# KiCad board PCA20073_Tiny_Board_Panel.kicad_pcb (continued)
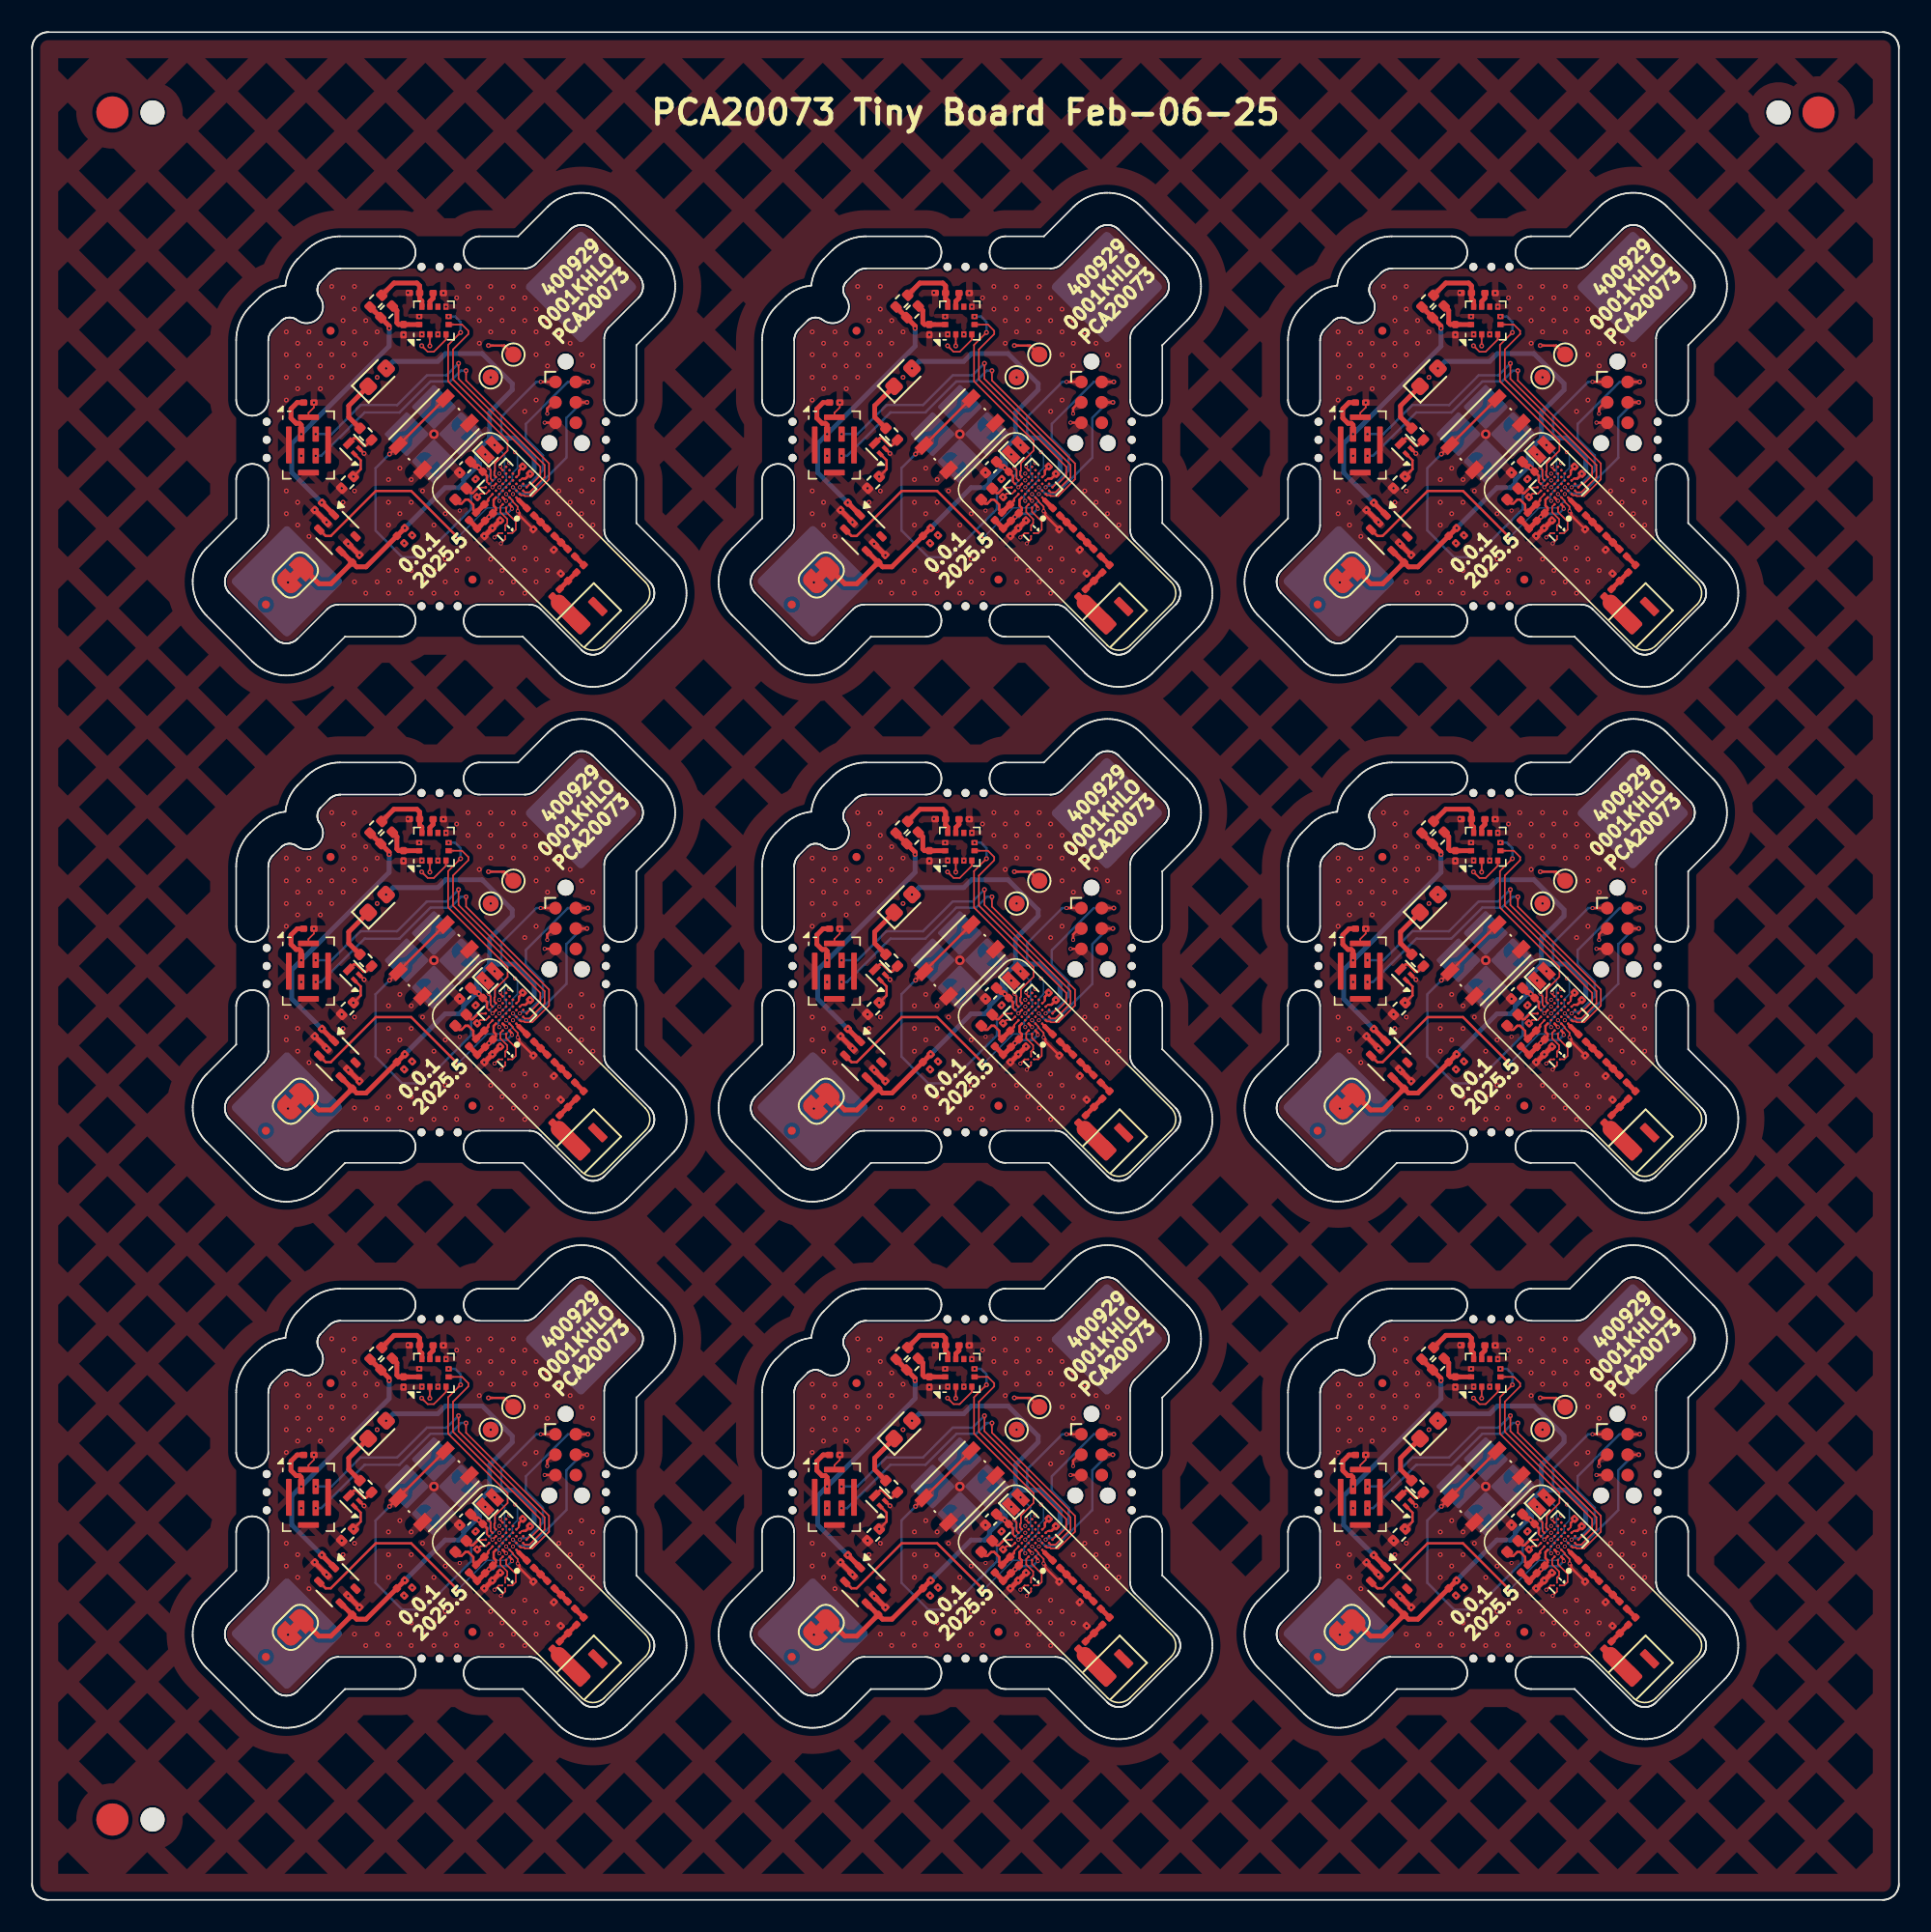
[diagram p0: board, top side]
## Nets (continued)
Board_4-GND: 4BT1.2 4C1.2 4C2.2 4C3.2 4C4.2 4C5.2 4C6.2 4C8.2 4C9.2 4C10.2 4C11.2 4C12.2 4C15.2 4C16.2 4C17.2 4C20.2 4J1.5 4L18.2 4MK1.2 4MK1.5 4Q1.2 4R4.2 4SW1.2 4U1.A6 4U1.C2 4U1.G4 4U2.2 4U2.5 4U3.1 4U3.3 4U3.7 4U3.11 4Y2.2 4Y2.3
Board_4-Net-(AE1-PCB_Trace): 4AE1.2 4L7.2
Board_4-Net-(BT1-+): 4BT1.1 4JP1.1
Board_4-Net-(C6-Pad1): 4C6.1 4L2.2 4L3.1
Board_4-Net-(C9-Pad1): 4C9.1 4L3.2 4L4.1
Board_4-Net-(D1-K): 4D1.1 4R1.1
Board_4-Net-(J1-SWCLK): 4J1.4 4U1.E3
Board_4-Net-(J1-SWDIO): 4J1.2 4U1.F2
Board_4-Net-(J1-~{RESET}): 4J1.3 4U1.D2
Board_4-Net-(JP2-A): 4C16.1 4JP2.1 4U3.12
Board_4-Net-(JP3-A): 4C17.1 4JP3.1 4U3.10
Board_4-Net-(L4-Pad2): 4L4.2 4L6.1
Board_4-Net-(L18-Pad1): 4L6.2 4L7.1 4L18.1
Board_4-Net-(Q1-D): 4Q1.3 4R1.2
Board_4-Net-(U1-ANT): 4L2.1 4U1.D1
Board_4-Net-(U1-DCC): 4L1.2 4U1.A7
Board_4-Net-(U1-DECA): 4C2.1 4C5.1 4C12.1 4FB1.1 4U1.A4 4U1.B1
Board_4-Net-(U1-DECD): 4C1.1 4FB1.2 4L1.1 4U1.A5
Board_4-Net-(U1-P1.00): 4U1.C5 4Y1.2
Board_4-Net-(U1-XC1): 4U1.A1 4Y2.1
Board_4-Net-(U1-XC2): 4U1.A2 4Y2.4
Board_4-Net-(U3-V_{REG_OUT}): 4C15.1 4U3.9
Board_4-unconnected-(AE1-FEED-Pad1): 4AE1.1
Board_4-unconnected-(J1-SWO-Pad6): 4J1.6
Board_4-unconnected-(U1-P0.02-PadE2): 4U1.E2
Board_4-unconnected-(U1-P0.04-PadD3): 4U1.D3
Board_4-unconnected-(U1-P1.03-PadD5): 4U1.D5
Board_4-unconnected-(U1-P1.05-PadE6): 4U1.E6
Board_4-unconnected-(U1-P1.11-PadC4): 4U1.C4
Board_4-unconnected-(U1-P1.13-PadB4): 4U1.B4
Board_4-unconnected-(U1-P1.14-PadB5): 4U1.B5
Board_4-unconnected-(U1-P2.00-PadG6): 4U1.G6
Board_4-unconnected-(U1-P2.01-PadG7): 4U1.G7
Board_4-unconnected-(U1-P2.02-PadF6): 4U1.F6
Board_4-unconnected-(U1-P2.03-PadE5): 4U1.E5
Board_4-unconnected-(U1-P2.04-PadF5): 4U1.F5
Board_4-unconnected-(U1-P2.05-PadG5): 4U1.G5
Board_4-unconnected-(U1-P2.06-PadF4): 4U1.F4
Board_4-unconnected-(U1-P2.07-PadE4): 4U1.E4
Board_4-unconnected-(U1-P2.08-PadD4): 4U1.D4
Board_4-unconnected-(U1-P2.09-PadF3): 4U1.F3
Board_4-unconnected-(U1-P2.10-PadG2): 4U1.G2
Board_4-unconnected-(U2-NC-Pad6): 4U2.6
Board_4-unconnected-(U3-ADC_IN-Pad8): 4U3.8
Board_4-VDD: 4C3.1 4C8.1 4C10.1 4C11.1 4D1.2 4J1.1 4JP1.2 4R2.1 4R3.1 4U1.B7 4U1.G3 4U2.4
Board_5-/BUTTON0: 5SW1.1 5U1.C7
Board_5-/INT1: 5U1.G1 5U3.5
Board_5-/INT2: 5U1.D7 5U3.6
Board_5-/LED: 5Q1.1 5R4.1 5U1.B3
Board_5-/LFCLK1: 5U1.B6 5U1.C6 5Y1.1
Board_5-/LSW: 5U1.C3 5U2.3
Board_5-/PDM_CLK: 5MK1.3 5U1.E1
Board_5-/PDM_DATA: 5MK1.4 5U1.F1
Board_5-/SCL: 5R3.2 5U1.F7 5U3.4
Board_5-/SDA: 5R2.2 5U1.D6 5U3.2
Board_5-/UART_RX: 5TP2.1 5U1.A3
Board_5-/UART_TX: 5TP1.1 5U1.E7
Board_5-GND: 5BT1.2 5C1.2 5C2.2 5C3.2 5C4.2 5C5.2 5C6.2 5C8.2 5C9.2 5C10.2 5C11.2 5C12.2 5C15.2 5C16.2 5C17.2 5C20.2 5J1.5 5L18.2 5MK1.2 5MK1.5 5Q1.2 5R4.2 5SW1.2 5U1.A6 5U1.C2 5U1.G4 5U2.2 5U2.5 5U3.1 5U3.3 5U3.7 5U3.11 5Y2.2 5Y2.3
Board_5-Net-(AE1-PCB_Trace): 5AE1.2 5L7.2
Board_5-Net-(BT1-+): 5BT1.1 5JP1.1
Board_5-Net-(C6-Pad1): 5C6.1 5L2.2 5L3.1
Board_5-Net-(C9-Pad1): 5C9.1 5L3.2 5L4.1
Board_5-Net-(D1-K): 5D1.1 5R1.1
Board_5-Net-(J1-SWCLK): 5J1.4 5U1.E3
Board_5-Net-(J1-SWDIO): 5J1.2 5U1.F2
Board_5-Net-(J1-~{RESET}): 5J1.3 5U1.D2
Board_5-Net-(JP2-A): 5C16.1 5JP2.1 5U3.12
Board_5-Net-(JP3-A): 5C17.1 5JP3.1 5U3.10
Board_5-Net-(L4-Pad2): 5L4.2 5L6.1
Board_5-Net-(L18-Pad1): 5L6.2 5L7.1 5L18.1
Board_5-Net-(Q1-D): 5Q1.3 5R1.2
Board_5-Net-(U1-ANT): 5L2.1 5U1.D1
Board_5-Net-(U1-DCC): 5L1.2 5U1.A7
Board_5-Net-(U1-DECA): 5C2.1 5C5.1 5C12.1 5FB1.1 5U1.A4 5U1.B1
Board_5-Net-(U1-DECD): 5C1.1 5FB1.2 5L1.1 5U1.A5
Board_5-Net-(U1-P1.00): 5U1.C5 5Y1.2
Board_5-Net-(U1-XC1): 5U1.A1 5Y2.1
Board_5-Net-(U1-XC2): 5U1.A2 5Y2.4
Board_5-Net-(U3-V_{REG_OUT}): 5C15.1 5U3.9
Board_5-unconnected-(AE1-FEED-Pad1): 5AE1.1
Board_5-unconnected-(J1-SWO-Pad6): 5J1.6
Board_5-unconnected-(U1-P0.02-PadE2): 5U1.E2
Board_5-unconnected-(U1-P0.04-PadD3): 5U1.D3
Board_5-unconnected-(U1-P1.03-PadD5): 5U1.D5
Board_5-unconnected-(U1-P1.05-PadE6): 5U1.E6
Board_5-unconnected-(U1-P1.11-PadC4): 5U1.C4
Board_5-unconnected-(U1-P1.13-PadB4): 5U1.B4
Board_5-unconnected-(U1-P1.14-PadB5): 5U1.B5
Board_5-unconnected-(U1-P2.00-PadG6): 5U1.G6
Board_5-unconnected-(U1-P2.01-PadG7): 5U1.G7
Board_5-unconnected-(U1-P2.02-PadF6): 5U1.F6
Board_5-unconnected-(U1-P2.03-PadE5): 5U1.E5
Board_5-unconnected-(U1-P2.04-PadF5): 5U1.F5
Board_5-unconnected-(U1-P2.05-PadG5): 5U1.G5
Board_5-unconnected-(U1-P2.06-PadF4): 5U1.F4
Board_5-unconnected-(U1-P2.07-PadE4): 5U1.E4
Board_5-unconnected-(U1-P2.08-PadD4): 5U1.D4
Board_5-unconnected-(U1-P2.09-PadF3): 5U1.F3
Board_5-unconnected-(U1-P2.10-PadG2): 5U1.G2
Board_5-unconnected-(U2-NC-Pad6): 5U2.6
Board_5-unconnected-(U3-ADC_IN-Pad8): 5U3.8
Board_5-VDD: 5C3.1 5C8.1 5C10.1 5C11.1 5D1.2 5J1.1 5JP1.2 5R2.1 5R3.1 5U1.B7 5U1.G3 5U2.4
Board_6-/BUTTON0: 6SW1.1 6U1.C7
Board_6-/INT1: 6U1.G1 6U3.5
Board_6-/INT2: 6U1.D7 6U3.6
Board_6-/LED: 6Q1.1 6R4.1 6U1.B3
Board_6-/LFCLK1: 6U1.B6 6U1.C6 6Y1.1
Board_6-/LSW: 6U1.C3 6U2.3
Board_6-/PDM_CLK: 6MK1.3 6U1.E1
Board_6-/PDM_DATA: 6MK1.4 6U1.F1
Board_6-/SCL: 6R3.2 6U1.F7 6U3.4
Board_6-/SDA: 6R2.2 6U1.D6 6U3.2
Board_6-/UART_RX: 6TP2.1 6U1.A3
Board_6-/UART_TX: 6TP1.1 6U1.E7
Board_6-GND: 6BT1.2 6C1.2 6C2.2 6C3.2 6C4.2 6C5.2 6C6.2 6C8.2 6C9.2 6C10.2 6C11.2 6C12.2 6C15.2 6C16.2 6C17.2 6C20.2 6J1.5 6L18.2 6MK1.2 6MK1.5 6Q1.2 6R4.2 6SW1.2 6U1.A6 6U1.C2 6U1.G4 6U2.2 6U2.5 6U3.1 6U3.3 6U3.7 6U3.11 6Y2.2 6Y2.3
Board_6-Net-(AE1-PCB_Trace): 6AE1.2 6L7.2
Board_6-Net-(BT1-+): 6BT1.1 6JP1.1
Board_6-Net-(C6-Pad1): 6C6.1 6L2.2 6L3.1
Board_6-Net-(C9-Pad1): 6C9.1 6L3.2 6L4.1
Board_6-Net-(D1-K): 6D1.1 6R1.1
Board_6-Net-(J1-SWCLK): 6J1.4 6U1.E3
Board_6-Net-(J1-SWDIO): 6J1.2 6U1.F2
Board_6-Net-(J1-~{RESET}): 6J1.3 6U1.D2
Board_6-Net-(JP2-A): 6C16.1 6JP2.1 6U3.12
Board_6-Net-(JP3-A): 6C17.1 6JP3.1 6U3.10
Board_6-Net-(L4-Pad2): 6L4.2 6L6.1
Board_6-Net-(L18-Pad1): 6L6.2 6L7.1 6L18.1
Board_6-Net-(Q1-D): 6Q1.3 6R1.2
Board_6-Net-(U1-ANT): 6L2.1 6U1.D1
Board_6-Net-(U1-DCC): 6L1.2 6U1.A7
Board_6-Net-(U1-DECA): 6C2.1 6C5.1 6C12.1 6FB1.1 6U1.A4 6U1.B1
Board_6-Net-(U1-DECD): 6C1.1 6FB1.2 6L1.1 6U1.A5
Board_6-Net-(U1-P1.00): 6U1.C5 6Y1.2
Board_6-Net-(U1-XC1): 6U1.A1 6Y2.1
Board_6-Net-(U1-XC2): 6U1.A2 6Y2.4
Board_6-Net-(U3-V_{REG_OUT}): 6C15.1 6U3.9
Board_6-unconnected-(AE1-FEED-Pad1): 6AE1.1
Board_6-unconnected-(J1-SWO-Pad6): 6J1.6
Board_6-unconnected-(U1-P0.02-PadE2): 6U1.E2
Board_6-unconnected-(U1-P0.04-PadD3): 6U1.D3
Board_6-unconnected-(U1-P1.03-PadD5): 6U1.D5
Board_6-unconnected-(U1-P1.05-PadE6): 6U1.E6
Board_6-unconnected-(U1-P1.11-PadC4): 6U1.C4
Board_6-unconnected-(U1-P1.13-PadB4): 6U1.B4
Board_6-unconnected-(U1-P1.14-PadB5): 6U1.B5
Board_6-unconnected-(U1-P2.00-PadG6): 6U1.G6
Board_6-unconnected-(U1-P2.01-PadG7): 6U1.G7
Board_6-unconnected-(U1-P2.02-PadF6): 6U1.F6
Board_6-unconnected-(U1-P2.03-PadE5): 6U1.E5
Board_6-unconnected-(U1-P2.04-PadF5): 6U1.F5
Board_6-unconnected-(U1-P2.05-PadG5): 6U1.G5
Board_6-unconnected-(U1-P2.06-PadF4): 6U1.F4
Board_6-unconnected-(U1-P2.07-PadE4): 6U1.E4
Board_6-unconnected-(U1-P2.08-PadD4): 6U1.D4
Board_6-unconnected-(U1-P2.09-PadF3): 6U1.F3
Board_6-unconnected-(U1-P2.10-PadG2): 6U1.G2
Board_6-unconnected-(U2-NC-Pad6): 6U2.6
Board_6-unconnected-(U3-ADC_IN-Pad8): 6U3.8
Board_6-VDD: 6C3.1 6C8.1 6C10.1 6C11.1 6D1.2 6J1.1 6JP1.2 6R2.1 6R3.1 6U1.B7 6U1.G3 6U2.4
Board_7-/BUTTON0: 7SW1.1 7U1.C7
Board_7-/INT1: 7U1.G1 7U3.5
Board_7-/INT2: 7U1.D7 7U3.6
Board_7-/LED: 7Q1.1 7R4.1 7U1.B3
Board_7-/LFCLK1: 7U1.B6 7U1.C6 7Y1.1
Board_7-/LSW: 7U1.C3 7U2.3
Board_7-/PDM_CLK: 7MK1.3 7U1.E1
Board_7-/PDM_DATA: 7MK1.4 7U1.F1
Board_7-/SCL: 7R3.2 7U1.F7 7U3.4
Board_7-/SDA: 7R2.2 7U1.D6 7U3.2
Board_7-/UART_RX: 7TP2.1 7U1.A3
Board_7-/UART_TX: 7TP1.1 7U1.E7
Board_7-GND: 7BT1.2 7C1.2 7C2.2 7C3.2 7C4.2 7C5.2 7C6.2 7C8.2 7C9.2 7C10.2 7C11.2 7C12.2 7C15.2 7C16.2 7C17.2 7C20.2 7J1.5 7L18.2 7MK1.2 7MK1.5 7Q1.2 7R4.2 7SW1.2 7U1.A6 7U1.C2 7U1.G4 7U2.2 7U2.5 7U3.1 7U3.3 7U3.7 7U3.11 7Y2.2 7Y2.3
Board_7-Net-(AE1-PCB_Trace): 7AE1.2 7L7.2
Board_7-Net-(BT1-+): 7BT1.1 7JP1.1
Board_7-Net-(C6-Pad1): 7C6.1 7L2.2 7L3.1
Board_7-Net-(C9-Pad1): 7C9.1 7L3.2 7L4.1
Board_7-Net-(D1-K): 7D1.1 7R1.1
Board_7-Net-(J1-SWCLK): 7J1.4 7U1.E3
Board_7-Net-(J1-SWDIO): 7J1.2 7U1.F2
Board_7-Net-(J1-~{RESET}): 7J1.3 7U1.D2
Board_7-Net-(JP2-A): 7C16.1 7JP2.1 7U3.12
Board_7-Net-(JP3-A): 7C17.1 7JP3.1 7U3.10
Board_7-Net-(L4-Pad2): 7L4.2 7L6.1
Board_7-Net-(L18-Pad1): 7L6.2 7L7.1 7L18.1
Board_7-Net-(Q1-D): 7Q1.3 7R1.2
Board_7-Net-(U1-ANT): 7L2.1 7U1.D1
Board_7-Net-(U1-DCC): 7L1.2 7U1.A7
Board_7-Net-(U1-DECA): 7C2.1 7C5.1 7C12.1 7FB1.1 7U1.A4 7U1.B1
Board_7-Net-(U1-DECD): 7C1.1 7FB1.2 7L1.1 7U1.A5
Board_7-Net-(U1-P1.00): 7U1.C5 7Y1.2
Board_7-Net-(U1-XC1): 7U1.A1 7Y2.1
Board_7-Net-(U1-XC2): 7U1.A2 7Y2.4
Board_7-Net-(U3-V_{REG_OUT}): 7C15.1 7U3.9
Board_7-unconnected-(AE1-FEED-Pad1): 7AE1.1
Board_7-unconnected-(J1-SWO-Pad6): 7J1.6
Board_7-unconnected-(U1-P0.02-PadE2): 7U1.E2
Board_7-unconnected-(U1-P0.04-PadD3): 7U1.D3
Board_7-unconnected-(U1-P1.03-PadD5): 7U1.D5
Board_7-unconnected-(U1-P1.05-PadE6): 7U1.E6
Board_7-unconnected-(U1-P1.11-PadC4): 7U1.C4
Board_7-unconnected-(U1-P1.13-PadB4): 7U1.B4
Board_7-unconnected-(U1-P1.14-PadB5): 7U1.B5
Board_7-unconnected-(U1-P2.00-PadG6): 7U1.G6
Board_7-unconnected-(U1-P2.01-PadG7): 7U1.G7
Board_7-unconnected-(U1-P2.02-PadF6): 7U1.F6
Board_7-unconnected-(U1-P2.03-PadE5): 7U1.E5
Board_7-unconnected-(U1-P2.04-PadF5): 7U1.F5
Board_7-unconnected-(U1-P2.05-PadG5): 7U1.G5
Board_7-unconnected-(U1-P2.06-PadF4): 7U1.F4
Board_7-unconnected-(U1-P2.07-PadE4): 7U1.E4
Board_7-unconnected-(U1-P2.08-PadD4): 7U1.D4
Board_7-unconnected-(U1-P2.09-PadF3): 7U1.F3
Board_7-unconnected-(U1-P2.10-PadG2): 7U1.G2
Board_7-unconnected-(U2-NC-Pad6): 7U2.6
Board_7-unconnected-(U3-ADC_IN-Pad8): 7U3.8
Board_7-VDD: 7C3.1 7C8.1 7C10.1 7C11.1 7D1.2 7J1.1 7JP1.2 7R2.1 7R3.1 7U1.B7 7U1.G3 7U2.4
Board_8-/BUTTON0: 8SW1.1 8U1.C7
Board_8-/INT1: 8U1.G1 8U3.5
Board_8-/INT2: 8U1.D7 8U3.6
Board_8-/LED: 8Q1.1 8R4.1 8U1.B3
Board_8-/LFCLK1: 8U1.B6 8U1.C6 8Y1.1
Board_8-/LSW: 8U1.C3 8U2.3
Board_8-/PDM_CLK: 8MK1.3 8U1.E1
Board_8-/PDM_DATA: 8MK1.4 8U1.F1
Board_8-/SCL: 8R3.2 8U1.F7 8U3.4
Board_8-/SDA: 8R2.2 8U1.D6 8U3.2
Board_8-/UART_RX: 8TP2.1 8U1.A3
Board_8-/UART_TX: 8TP1.1 8U1.E7
Board_8-GND: 8BT1.2 8C1.2 8C2.2 8C3.2 8C4.2 8C5.2 8C6.2 8C8.2 8C9.2 8C10.2 8C11.2 8C12.2 8C15.2 8C16.2 8C17.2 8C20.2 8J1.5 8L18.2 8MK1.2 8MK1.5 8Q1.2 8R4.2 8SW1.2 8U1.A6 8U1.C2 8U1.G4 8U2.2 8U2.5 8U3.1 8U3.3 8U3.7 8U3.11 8Y2.2 8Y2.3
Board_8-Net-(AE1-PCB_Trace): 8AE1.2 8L7.2
Board_8-Net-(BT1-+): 8BT1.1 8JP1.1
Board_8-Net-(C6-Pad1): 8C6.1 8L2.2 8L3.1
Board_8-Net-(C9-Pad1): 8C9.1 8L3.2 8L4.1
Board_8-Net-(D1-K): 8D1.1 8R1.1
Board_8-Net-(J1-SWCLK): 8J1.4 8U1.E3
Board_8-Net-(J1-SWDIO): 8J1.2 8U1.F2
Board_8-Net-(J1-~{RESET}): 8J1.3 8U1.D2
Board_8-Net-(JP2-A): 8C16.1 8JP2.1 8U3.12
Board_8-Net-(JP3-A): 8C17.1 8JP3.1 8U3.10
Board_8-Net-(L4-Pad2): 8L4.2 8L6.1
Board_8-Net-(L18-Pad1): 8L6.2 8L7.1 8L18.1
Board_8-Net-(Q1-D): 8Q1.3 8R1.2
Board_8-Net-(U1-ANT): 8L2.1 8U1.D1
Board_8-Net-(U1-DCC): 8L1.2 8U1.A7
Board_8-Net-(U1-DECA): 8C2.1 8C5.1 8C12.1 8FB1.1 8U1.A4 8U1.B1
Board_8-Net-(U1-DECD): 8C1.1 8FB1.2 8L1.1 8U1.A5
Board_8-Net-(U1-P1.00): 8U1.C5 8Y1.2
Board_8-Net-(U1-XC1): 8U1.A1 8Y2.1
Board_8-Net-(U1-XC2): 8U1.A2 8Y2.4
Board_8-Net-(U3-V_{REG_OUT}): 8C15.1 8U3.9
Board_8-unconnected-(AE1-FEED-Pad1): 8AE1.1
Board_8-unconnected-(J1-SWO-Pad6): 8J1.6
Board_8-unconnected-(U1-P0.02-PadE2): 8U1.E2
Board_8-unconnected-(U1-P0.04-PadD3): 8U1.D3
Board_8-unconnected-(U1-P1.03-PadD5): 8U1.D5
Board_8-unconnected-(U1-P1.05-PadE6): 8U1.E6
Board_8-unconnected-(U1-P1.11-PadC4): 8U1.C4
Board_8-unconnected-(U1-P1.13-PadB4): 8U1.B4
Board_8-unconnected-(U1-P1.14-PadB5): 8U1.B5
Board_8-unconnected-(U1-P2.00-PadG6): 8U1.G6
Board_8-unconnected-(U1-P2.01-PadG7): 8U1.G7
Board_8-unconnected-(U1-P2.02-PadF6): 8U1.F6
Board_8-unconnected-(U1-P2.03-PadE5): 8U1.E5
Board_8-unconnected-(U1-P2.04-PadF5): 8U1.F5
Board_8-unconnected-(U1-P2.05-PadG5): 8U1.G5
Board_8-unconnected-(U1-P2.06-PadF4): 8U1.F4
Board_8-unconnected-(U1-P2.07-PadE4): 8U1.E4
Board_8-unconnected-(U1-P2.08-PadD4): 8U1.D4
Board_8-unconnected-(U1-P2.09-PadF3): 8U1.F3
Board_8-unconnected-(U1-P2.10-PadG2): 8U1.G2
Board_8-unconnected-(U2-NC-Pad6): 8U2.6
Board_8-unconnected-(U3-ADC_IN-Pad8): 8U3.8
Board_8-VDD: 8C3.1 8C8.1 8C10.1 8C11.1 8D1.2 8J1.1 8JP1.2 8R2.1 8R3.1 8U1.B7 8U1.G3 8U2.4

## Via types
v1: diameter 0.25, hole 0.15, Top to Bottom, 315 vias
v2: diameter 0.3, hole 0.15, Top to Bottom, 1386 vias
v3: diameter 0.6, hole 0.3, Top to Bottom, 9 vias

## Routing (per net, layer and track width the routed paths; a pad name or vN(x,y) marks a point on that pad's centre or on a via; arc(x,y) is an arc through that point)
Board_0-/VDD_LS: length 20
  Top w0.3: v2(18.04,86.96) 0U2.1 ; 0JP3.2 22.23,97.96 v2(22.23,97.82) ; 0C20.1 16.51,93.19 16.12,92.8 16.12,92.22 16.44,91.9 16.65,91.9 16.76,91.79 v2(16.76,91.23)
  Bottom w0.3: v2(22.23,97.82) 22.23,96.7 v2(16.76,91.23) 16.17,90.64 16.17,88.84 v2(18.04,86.96)
Board_1-/VDD_LS: length 20
  Top w0.3: v2(49.51,91.23) 49.51,91.79 49.4,91.9 49.19,91.9 48.87,92.22 48.87,92.8 49.26,93.19 1C20.1 ; 1JP3.2 54.98,97.96 v2(54.98,97.82) ; v2(50.79,86.96) 1U2.1
  Bottom w0.3: v2(50.79,86.96) 48.92,88.84 48.92,90.64 v2(49.51,91.23) 54.98,96.7 v2(54.98,97.82)
Board_2-/VDD_LS: length 20
  Top w0.3: v2(82.26,91.23) 82.26,91.79 82.15,91.9 81.94,91.9 81.62,92.22 81.62,92.8 82,93.19 2C20.1 ; v2(83.54,86.96) 2U2.1 ; 2JP3.2 87.73,97.96 v2(87.73,97.82)
  Bottom w0.3: v2(83.54,86.96) 81.67,88.84 81.67,90.64 v2(82.26,91.23) 87.73,96.7 v2(87.73,97.82)
Board_3-/VDD_LS: length 20
  Top w0.3: v2(16.76,58.48) 16.76,59.05 16.65,59.15 16.44,59.15 16.12,59.47 16.12,60.05 16.51,60.44 3C20.1 ; v2(18.04,54.21) 3U2.1 ; 3JP3.2 22.23,65.21 v2(22.23,65.07)
  Bottom w0.3: v2(18.04,54.21) 16.17,56.09 16.17,57.89 v2(16.76,58.48) 22.23,63.95 v2(22.23,65.07)
Board_4-/VDD_LS: length 20
  Top w0.3: v2(50.79,54.21) 4U2.1 ; v2(49.51,58.48) 49.51,59.05 49.4,59.15 49.19,59.15 48.87,59.47 48.87,60.05 49.26,60.44 4C20.1 ; 4JP3.2 54.98,65.21 v2(54.98,65.07)
  Bottom w0.3: v2(54.98,65.07) 54.98,63.95 v2(49.51,58.48) 48.92,57.89 48.92,56.09 v2(50.79,54.21)
Board_5-/VDD_LS: length 20
  Top w0.3: v2(82.26,58.48) 82.26,59.05 82.15,59.15 81.94,59.15 81.62,59.47 81.62,60.05 82,60.44 5C20.1 ; 5JP3.2 87.73,65.21 v2(87.73,65.07) ; v2(83.54,54.21) 5U2.1
  Bottom w0.3: v2(87.73,65.07) 87.73,63.95 v2(82.26,58.48) 81.67,57.89 81.67,56.09 v2(83.54,54.21)
Board_6-/VDD_LS: length 20
  Top w0.3: v2(16.76,25.73) 16.76,26.3 16.65,26.4 16.44,26.4 16.12,26.72 16.12,27.3 16.51,27.69 6C20.1 ; v2(18.04,21.46) 6U2.1 ; v2(22.23,32.32) 22.23,32.46 6JP3.2
  Bottom w0.3: v2(22.23,32.32) 22.23,31.21 v2(16.76,25.73) 16.17,25.14 16.17,23.34 v2(18.04,21.46)
Board_7-/VDD_LS: length 20
  Top w0.3: v2(49.51,25.73) 49.51,26.3 49.4,26.4 49.19,26.4 48.87,26.72 48.87,27.3 49.26,27.69 7C20.1 ; 7JP3.2 54.98,32.46 v2(54.98,32.32) ; v2(50.79,21.46) 7U2.1
  Bottom w0.3: v2(50.79,21.46) 48.92,23.34 48.92,25.14 v2(49.51,25.73) 54.98,31.21 v2(54.98,32.32)
Board_8-/VDD_LS: length 20
  Top w0.3: 8C20.1 82,27.69 81.62,27.3 81.62,26.72 81.94,26.4 82.15,26.4 82.26,26.3 v2(82.26,25.73) ; v2(87.73,32.32) 87.73,32.46 8JP3.2 ; v2(83.54,21.46) 8U2.1
  Bottom w0.3: v2(87.73,32.32) 87.73,31.21 v2(82.26,25.73) 81.67,25.14 81.67,23.34 v2(83.54,21.46)
Board_0-/BUTTON0: length 21.9
  Top w0.1: 0U1.C7 28.56,88.46 28.56,88.99 28.42,89.12 v1(28.42,89.15)
  Top w0.15: 0SW1.1 0SW1.1 v2(22.26,89.98)
  Bottom w0.15: v2(22.26,89.98) 21.39,89.11 21.39,85.23 23.06,83.56 24.33,83.56 27.1,86.33 27.33,86.57 27.33,87.51 28.53,88.71 28.53,89.04 v1(28.42,89.15)
Board_0-/INT1: length 14.2
  Top w0.1: 0U1.G1 30.99,88.11 31.1,88.11 31.65,88.66 31.65,89.2 26.21,94.63 26.21,96.5 27.16,97.46 27.16,97.65 26.77,98.05 0U3.5
Board_0-/INT2: length 12.8
  Top w0.1: 0U1.D7 28.78,88.66 28.78,88.9 28.83,88.95 28.83,89.42 29.61,90.2 29.61,90.81 25.9,94.51 25.9,96.78 v2(26.68,97.55)
  Bottom w0.15: v2(25.94,98.55) 26.34,98.55 26.68,98.2 v2(26.68,97.55)
Board_0-/LED: length 17.8
  Top w0.15: 0U1.B3 v1(29.52,87.07) ; 0Q1.1 20.46,89.6 20.46,89.04 v2(20,88.58)
  In2.Cu w0.15: v1(29.52,87.07) 29.12,86.67 28.51,86.67 27.77,85.93 27.77,85.21 26.81,84.25 26.22,84.25 25.73,84.73 24.77,84.73 23.36,83.31 22.52,83.31 20.69,85.15 20.69,87.89 v2(20,88.58)
Board_0-/LFCLK1: length 2.8
  Top w0.075: 28.67,87.92 28.67,87.9
  Top w0.1: 0U1.C6 v1(28.67,87.92)
  Bottom w0.1: v1(28.22,89.96) 28.82,89.36 28.82,88.45 28.54,88.17 28.54,88.05 v1(28.67,87.92)
Board_0-/LSW: length 16.3
  Top w0.075: v1(29.52,87.5) 29.52,87.48 29.52,87.48
  Top w0.15: 0U2.3 18.28,84.89 18.6,84.89 21.4,87.69 23.61,87.69 26.39,84.91 v2(26.39,84.68)
  Bottom w0.1: v1(29.52,87.5) 29.87,87.14 29.87,87.01 29.5,86.64 28.34,86.64 v2(26.39,84.68)
Board_0-/PDM_CLK: length 22.8
  Top w0.1: 0U1.E1 30.44,87.42 30.64,87.42 30.68,87.37 31.15,87.37 32.19,88.41 32.19,89.4 27.02,94.57 v2(27.02,95.18)
  Bottom w0.15: v1(17.66,89.88) 18,89.88 20.7,92.58 22.88,92.58 24.81,94.51 26.03,94.51 26.7,95.18 v2(27.02,95.18)
Board_0-/PDM_DATA: length 21.8
  Top w0.1: 0U1.F1 30.68,87.61 30.97,87.61 31.92,88.55 31.92,89.31 26.56,94.67 v2(26.56,95.63)
  Bottom w0.15: v1(17.66,91.23) 18.64,91.23 20.45,93.04 22.73,93.04 24.58,94.89 25.81,94.89 v2(26.56,95.63)
Board_0-/SCL: length 28.8
  Top w0.075: 29.31,88.96 29.31,88.96 0U1.F7
  Top w0.1: v1(29.15,89.23) 29.15,89.14 0U1.F7 ; 0U3.4 25.77,97.11 25.01,96.35 24.63,96.35 v2(24.26,96.73)
  In2.Cu w0.1: 23.54,84.8 23.47,84.74 23.47,84.6 23.68,84.39 23.68,84.07 23.22,83.62 22.66,83.62 21.05,85.22 21.05,93.27 24.26,96.47 v2(24.26,96.73) ; 23.54,84.8 23.79,84.8 23.8,84.8 24.18,84.8 24.46,85.07 26.41,85.07 28.79,87.46 29.06,87.46 29.43,87.82 29.43,88.69 29.36,88.75 29.36,89.02 v1(29.15,89.23) ; 23.54,84.8 v2(23.66,84.93)
  In2.Cu w0.15: v2(23.66,84.93) 23.8,84.8
Board_0-/SDA: length 24.8
  Top w0.1: v2(24.77,96.71) 24.77,96.72 0U3.2 ; 29.09,88.34 29.09,88.33
  In2.Cu w0.1: v2(24.77,96.71) 24.77,96.57 21.35,93.16 21.35,85.26 22.67,83.94 23.2,83.94 23.37,84.12 23.37,84.23 v2(23.17,84.44)
  In2.Cu w0.15: v2(23.17,84.44) 23.03,84.58 23.03,84.75 23.63,85.36 23.63,85.67 25.93,87.97 27.57,87.97 27.95,88.34 29.09,88.34 v1(29.09,88.34)
Board_0-/UART_RX: length 13.6
  Top w0.15: v2(28.41,96.74) 29.4,96.74 0TP2.1
  In2.Cu w0.15: v2(28.41,96.74) 29.4,96.74 30.23,95.91 30.23,90.26 v1(30.08,90.1)
  Bottom w0.1: v1(29.09,87.07) 29.03,87.14 29.03,87.39 29.03,87.33 29.03,87.43 29.2,87.6 29.2,87.67 29.9,88.37 29.9,88.79 30.23,89.12 30.23,89.95 v1(30.08,90.1)
Board_0-/UART_TX: length 7.1
  In2.Cu w0.15: v2(28.56,94.76) 29.9,93.42 29.9,90.39 28.85,89.34 28.85,89 29.08,88.77 v1(29.09,88.77)
Board_0-GND: length 11.3
  Top w0.1: 30.15,88.54 30.32,88.7 30.32,88.79 ; 0U1.C2 29.94,87.08 29.94,87.02 30.24,86.71 v1(30.24,86.43) ; v1(29.19,84.42) 29.46,84.69 0Y2.2 ; v1(17.55,93.19) 17.55,92.89 17.21,92.55 0MK1.5 ; 0Y2.3 29.06,85.06 v1(28.79,84.8) ; v1(27.71,87.31) 27.92,87.51 28.26,87.51 0U1.A6
  Top w0.15: v2(20.67,90.02) 0Q1.2 ; 30.32,88.79 30.32,88.96 30.59,89.23 30.59,89.25 ; v2(19.28,87.86) 19.28,87.85 19.29,87.83 ; v1(31.92,91.94) 32.58,91.94 0J1.5 ; v1(30.24,86.43) 30.35,86.33 30.35,86.17 v2(31.22,85.3)
  Top w0.3: v1(28.67,85.37) 28.17,84.88 v1(28.16,84.88) ; v1(28.67,85.37) v1(29.15,85.86) ; v1(28.67,85.37) 0C12.2 ; v2(18.34,85.75) 18.34,85.76 v2(17.59,86.51) ; v2(19.68,84.4) v2(20.39,83.69)
  vias: v1(16.76,89.88) v1(26.63,86.47) v1(27.62,88.43) v1(29.72,89.43) v1(30.55,89.21) v2(15.83,97.59) v2(15.83,96.18) v2(15.83,94.76) v2(15.83,93.35) v2(15.83,87.69) v2(15.83,86.28) v2(16.54,96.88) v2(16.54,95.47) v2(16.54,94.05) v2(16.54,86.98) v2(16.54,85.57) v2(17.24,97.59) v2(17.24,96.18) v2(17.24,94.76) v2(17.24,84.86) v2(17.95,96.88) v2(17.95,95.47) v2(17.95,94.05) v2(18.66,100.42) v2(18.66,96.18) v2(18.66,94.76) v2(19.36,99.71) v2(19.36,98.3) v2(19.36,96.88) v2(19.36,95.47) v2(19.36,86.98) v2(20.07,100.42) v2(20.07,99) v2(20.07,97.59) v2(20.07,96.18) v2(20.07,87.69) v2(20.07,82.03) v2(20.78,98.3) v2(20.78,96.88) v2(20.78,81.33) v2(21.49,97.59) v2(21.49,94.76) v2(21.49,82.03) v2(22.19,88.4) v2(22.19,86.98) v2(22.19,85.57) v2(22.19,82.74) v2(22.19,81.33) v2(22.9,89.1) v2(22.9,86.28) v2(22.9,82.03) v2(23.13,97.41) v2(23.41,100.03) v2(23.61,88.4) v2(23.61,86.98) v2(23.61,82.74) v2(23.61,81.33) v2(24.11,98.55) v2(24.27,97.44) v2(24.31,87.69) v2(24.31,82.03) v2(25.02,85.57) v2(25.02,82.74) v2(25.02,81.33) v2(25.27,97.44) v2(25.61,100.01) v2(25.77,99.16) v2(25.73,86.28) v2(25.73,83.45) v2(25.73,82.03) v2(26.44,99.71) v2(26.44,82.74) v2(26.44,81.33) v2(26.63,88.83) v2(27.14,100.42) v2(27.14,99) v2(27.14,83.45) v2(27.85,99.71) v2(27.85,98.3) v2(27.85,96.88) v2(28.56,100.42) v2(28.56,99) v2(28.56,97.59) v2(28.56,83.45) v2(28.56,82.03) v2(29.26,99.71) v2(29.26,98.3) v2(29.26,82.74) v2(29.26,81.33) v2(29.97,100.42) v2(29.97,99) v2(29.97,97.59) v2(29.97,83.45) v2(29.97,82.03) v2(30.68,99.71) v2(30.68,98.3) v2(30.68,92.64) v2(30.68,84.15) v2(30.68,82.74) v2(30.68,81.33) v2(31.38,99) v2(31.38,97.59) v2(31.38,96.18) v2(31.38,93.35) v2(31.38,83.45) v2(31.38,82.03) v2(32.09,98.3) v2(32.09,96.88) v2(32.09,95.47) v2(32.09,86.98) v2(32.09,82.74) v2(32.49,84.03) v2(32.8,97.59) v2(32.8,87.69) v2(32.8,86.28) v2(32.92,82.55) v2(33.51,96.88) v2(33.51,88.4) v2(33.51,86.98) v2(33.51,85.57) v2(34.21,96.18) v2(34.21,89.1) v2(34.21,87.69) v2(34.21,86.28) v2(34.21,84.86) v2(34.92,95.47) v2(34.92,88.4) v2(34.92,86.98) v2(34.92,85.57) v3(25.02,91.23)
Board_0-Net-(AE1-PCB_Trace): length 1.9
  Top w1: 0AE1.2 32.8,80.73
Board_0-Net-(BT1-+):
  vias: v2(15.93,82)
Board_0-Net-(C6-Pad1): length 1.2
  Top w0.293: 31.25,86.17 32.07,85.35
Board_0-Net-(C9-Pad1): length 1.2
  Top w0.293: 32.53,84.89 33.35,84.07
Board_0-Net-(D1-K): length 3.4
  Top w0.3: 0D1.1 19.72,92.99 19.72,92.29 0R1.1
Board_0-Net-(J1-SWCLK): length 9.3
  Top w0.15: 0J1.4 v2(34.55,93.21)
  Bottom w0.15: v2(34.55,93.21) 34.24,93.21 33.27,92.24 33.27,89.76 31.04,87.53 30.33,87.53 29.94,87.92 v1(29.94,87.92)
Board_0-Net-(J1-SWDIO): length 10.9
  Top w0.15: 0J1.2 33.86,94.48 v2(34.61,94.48)
  Bottom w0.15: v2(34.61,94.48) 33.36,94.48 30.75,91.86 30.75,90.96 31.81,89.9 31.81,88.98 30.85,88.02 30.48,88.02 30.38,87.92 v1(30.37,87.92)
Board_0-Net-(J1-~{RESET}): length 8.1
  Top w0.15: v1(32.08,92.5) 32.08,92.84 32.45,93.21 0J1.3 ; 29.94,87.48 v1(29.94,87.5)
  In2.Cu w0.15: v1(32.08,92.5) 31.71,92.5 31.46,92.24 31.46,91.32 30.97,90.84 30.97,90.1 31.77,89.29 31.77,88.77 30.58,87.58 30.02,87.58 v1(29.94,87.5)
Board_0-Net-(JP2-A): length 2.6
  Top w0.3: 0JP2.1 22.72,98.92 22.72,98.16 22.82,98.05 0C16.1 23.13,98.05 0U3.12 24.1,98.05
Board_0-Net-(JP3-A): length 4.1
  Top w0.3: 0JP3.1 22.53,100.63 23.96,100.63 24.13,100.46 0C17.1 24.13,99.65 24.27,99.51 0U3.10
Board_0-Net-(L4-Pad2): length 0.8
  Top w0.293: 33.8,83.62 34.34,83.08
Board_0-Net-(L18-Pad1): length 1.5
  Top w0.293: 33.89,82.62 32.85,81.58
Board_0-Net-(Q1-D): length 1.9
  Top w0.15: 0Q1.3 20.04,90.98 20.18,90.98 20.64,90.52 20.79,90.52 0R1.2
Board_0-Net-(U1-ANT): length 0.9
  Top w0.1: 30.3,87.12 30.16,87.26 30.17,87.27
  Top w0.293: 30.3,87.12 30.3,87.12 0L2.1
Board_0-Net-(U1-DCC): length 1.5
  Top w0.1: 28.25,87.9 27.78,87.9 27.76,87.88
  Top w0.15: 27.76,87.88 27.44,87.56 27.32,87.56 0L1.2
Board_0-Net-(U1-DECA): length 5.3
  Top w0.15: v1(29.88,86.58) 29.88,86.69 29.73,86.84 ; 0U1.A4 28.74,87.14 28.74,86.77 28.87,86.64 28.87,86.49 0C5.1
  Top w0.3: 0C5.1 v1(28.45,86.07) 27.72,85.33 0C2.1 27.7,85.37 0FB1.1
  Bottom w0.15: v1(29.88,86.58) 29.57,86.27 28.9,86.27 28.7,86.07 v1(28.45,86.07)
Board_0-Net-(U1-DECD): length 3.6
  Top w0.1: 28.4,87.15 28.4,87.21 28.67,87.48
  Top w0.15: 0FB1.2 27.47,86.51 27.47,86.83 27.16,87.15 26.99,87.15 26.74,86.9 26.6,86.9 0L1.1 ; 28.4,87.15 28.4,87.09 0C1.1
  Top w0.3: 0FB1.2 0C1.1
Board_0-Net-(U1-P1.00): length 3.1
  Top w0.1: v1(29.1,87.92) 29.1,87.91 29.09,87.9
  Bottom w0.1: v1(29.1,87.92) 29.53,88.36 29.53,88.65 29.43,88.76 29.43,89.92 v1(28.8,90.55)
Board_0-Net-(U1-XC1): length 2.2
  Top w0.1: 0U1.A1 29.52,86.39 30.12,85.79 30.12,85.28 29.91,85.07 29.64,85.07 0Y2.1
Board_0-Net-(U1-XC2): length 1.9
  Top w0.1: 0Y2.4 29.46,85.55 29.59,85.68 29.59,85.94 29.16,86.37 29.16,86.71 0U1.A2
Board_0-Net-(U3-V_{REG_OUT}): length 0.9
  Top w0.3: 0U3.9 24.77,99.49 24.97,99.69 0C15.1
Board_0-unconnected-(U1-P1.03-PadD5): length 0
  Top w0.1: 0U1.D5 29.31,88.12 29.31,88.11
Board_0-VDD: length 45.3
  Top w0.1: 30.37,88.33 30.5,88.46 30.57,88.46 ; 28.32,88.32 28.32,88.25 28.46,88.11
  Top w0.15: 31.05,88.8 31.05,88.78 30.73,88.46 30.57,88.46 ; 0J1.1 32.59,94.48 v1(31.67,94.48) ; 0C11.1 28.32,88.63 28.32,88.32
  Top w0.3: v2(23.21,85.38) 20.79,82.97 20.21,82.97 0C3.1 ; 0C3.1 19.24,83.94 0U2.4 ; 0C3.1 18.61,81.91 17.86,81.91 0JP1.2 ; 0C10.1 27.59,89.22 27.73,89.22 v2(27.82,89.13) 0C11.1
  Bottom w0.15: 29.47,90.99 29.46,90.99 29.22,91.23 ; v1(31.67,94.48) 31.4,94.48 29.22,92.3 29.22,91.23 ; 29.22,91.23 29.22,91.19 29.02,90.99 ; 29.22,91.23 29.22,90.99
  Bottom w0.3: v2(23.21,85.38) 25.72,87.89 26.58,87.89 26.87,88.18 26.87,88.39 27.61,89.13 ; 27.86,89.39 27.67,89.58 27.67,90.16 28.49,90.97 ; 27.86,89.39 27.86,89.17 v2(27.82,89.13) 27.61,89.13 ; 27.86,89.39 27.86,89.28 27.71,89.13 27.61,89.13 ; 28.74,90.99 30.05,90.99 31.26,89.78 31.26,88.99 31.06,88.79 ; 28.74,90.99 28.51,90.99 28.49,90.97 ; 28.74,90.99 28.74,91.03 28.49,91.29 28.49,91.37 ; 28.49,91.37 28.49,90.97 ; 28.49,91.37 28.49,92.57 29.9,93.98 29.9,94.36 28.03,96.24 25.75,96.24 25.26,95.75 22.48,95.75 v2(22.04,95.32)
  vias: v2(31.01,88.76)
Board_1-/BUTTON0: length 21.9
  Top w0.1: v1(61.17,89.15) 61.17,89.12 61.31,88.99 61.31,88.46 1U1.C7
  Top w0.15: 1SW1.1 1SW1.1 v2(55.01,89.98)
  Bottom w0.15: v2(55.01,89.98) 54.13,89.11 54.13,85.23 55.8,83.56 57.08,83.56 59.85,86.33 60.08,86.57 60.08,87.51 61.28,88.71 61.28,89.04 v1(61.17,89.15)
Board_1-/INT1: length 14.2
  Top w0.1: 1U3.5 59.52,98.05 59.91,97.65 59.91,97.46 58.96,96.5 58.96,94.63 64.4,89.2 64.4,88.66 63.85,88.11 63.73,88.11 1U1.G1
Board_1-/INT2: length 12.8
  Top w0.1: v2(59.43,97.55) 58.65,96.78 58.65,94.51 62.36,90.81 62.36,90.2 61.57,89.42 61.57,88.95 61.52,88.9 61.52,88.66 1U1.D7